# Altium PCB qfc.PcbDoc (part 7 of 13)
Units mil, origin at the board's own origin, x right, y up, seen from the top; angles counter-clockwise.
Board outline 1990 x 2620 mil, 4 copper layers (Top Layer, Mid-Layer 1, Mid-Layer 2, Bottom Layer); 217 components, 187 nets, 805 pads, 370 vias.
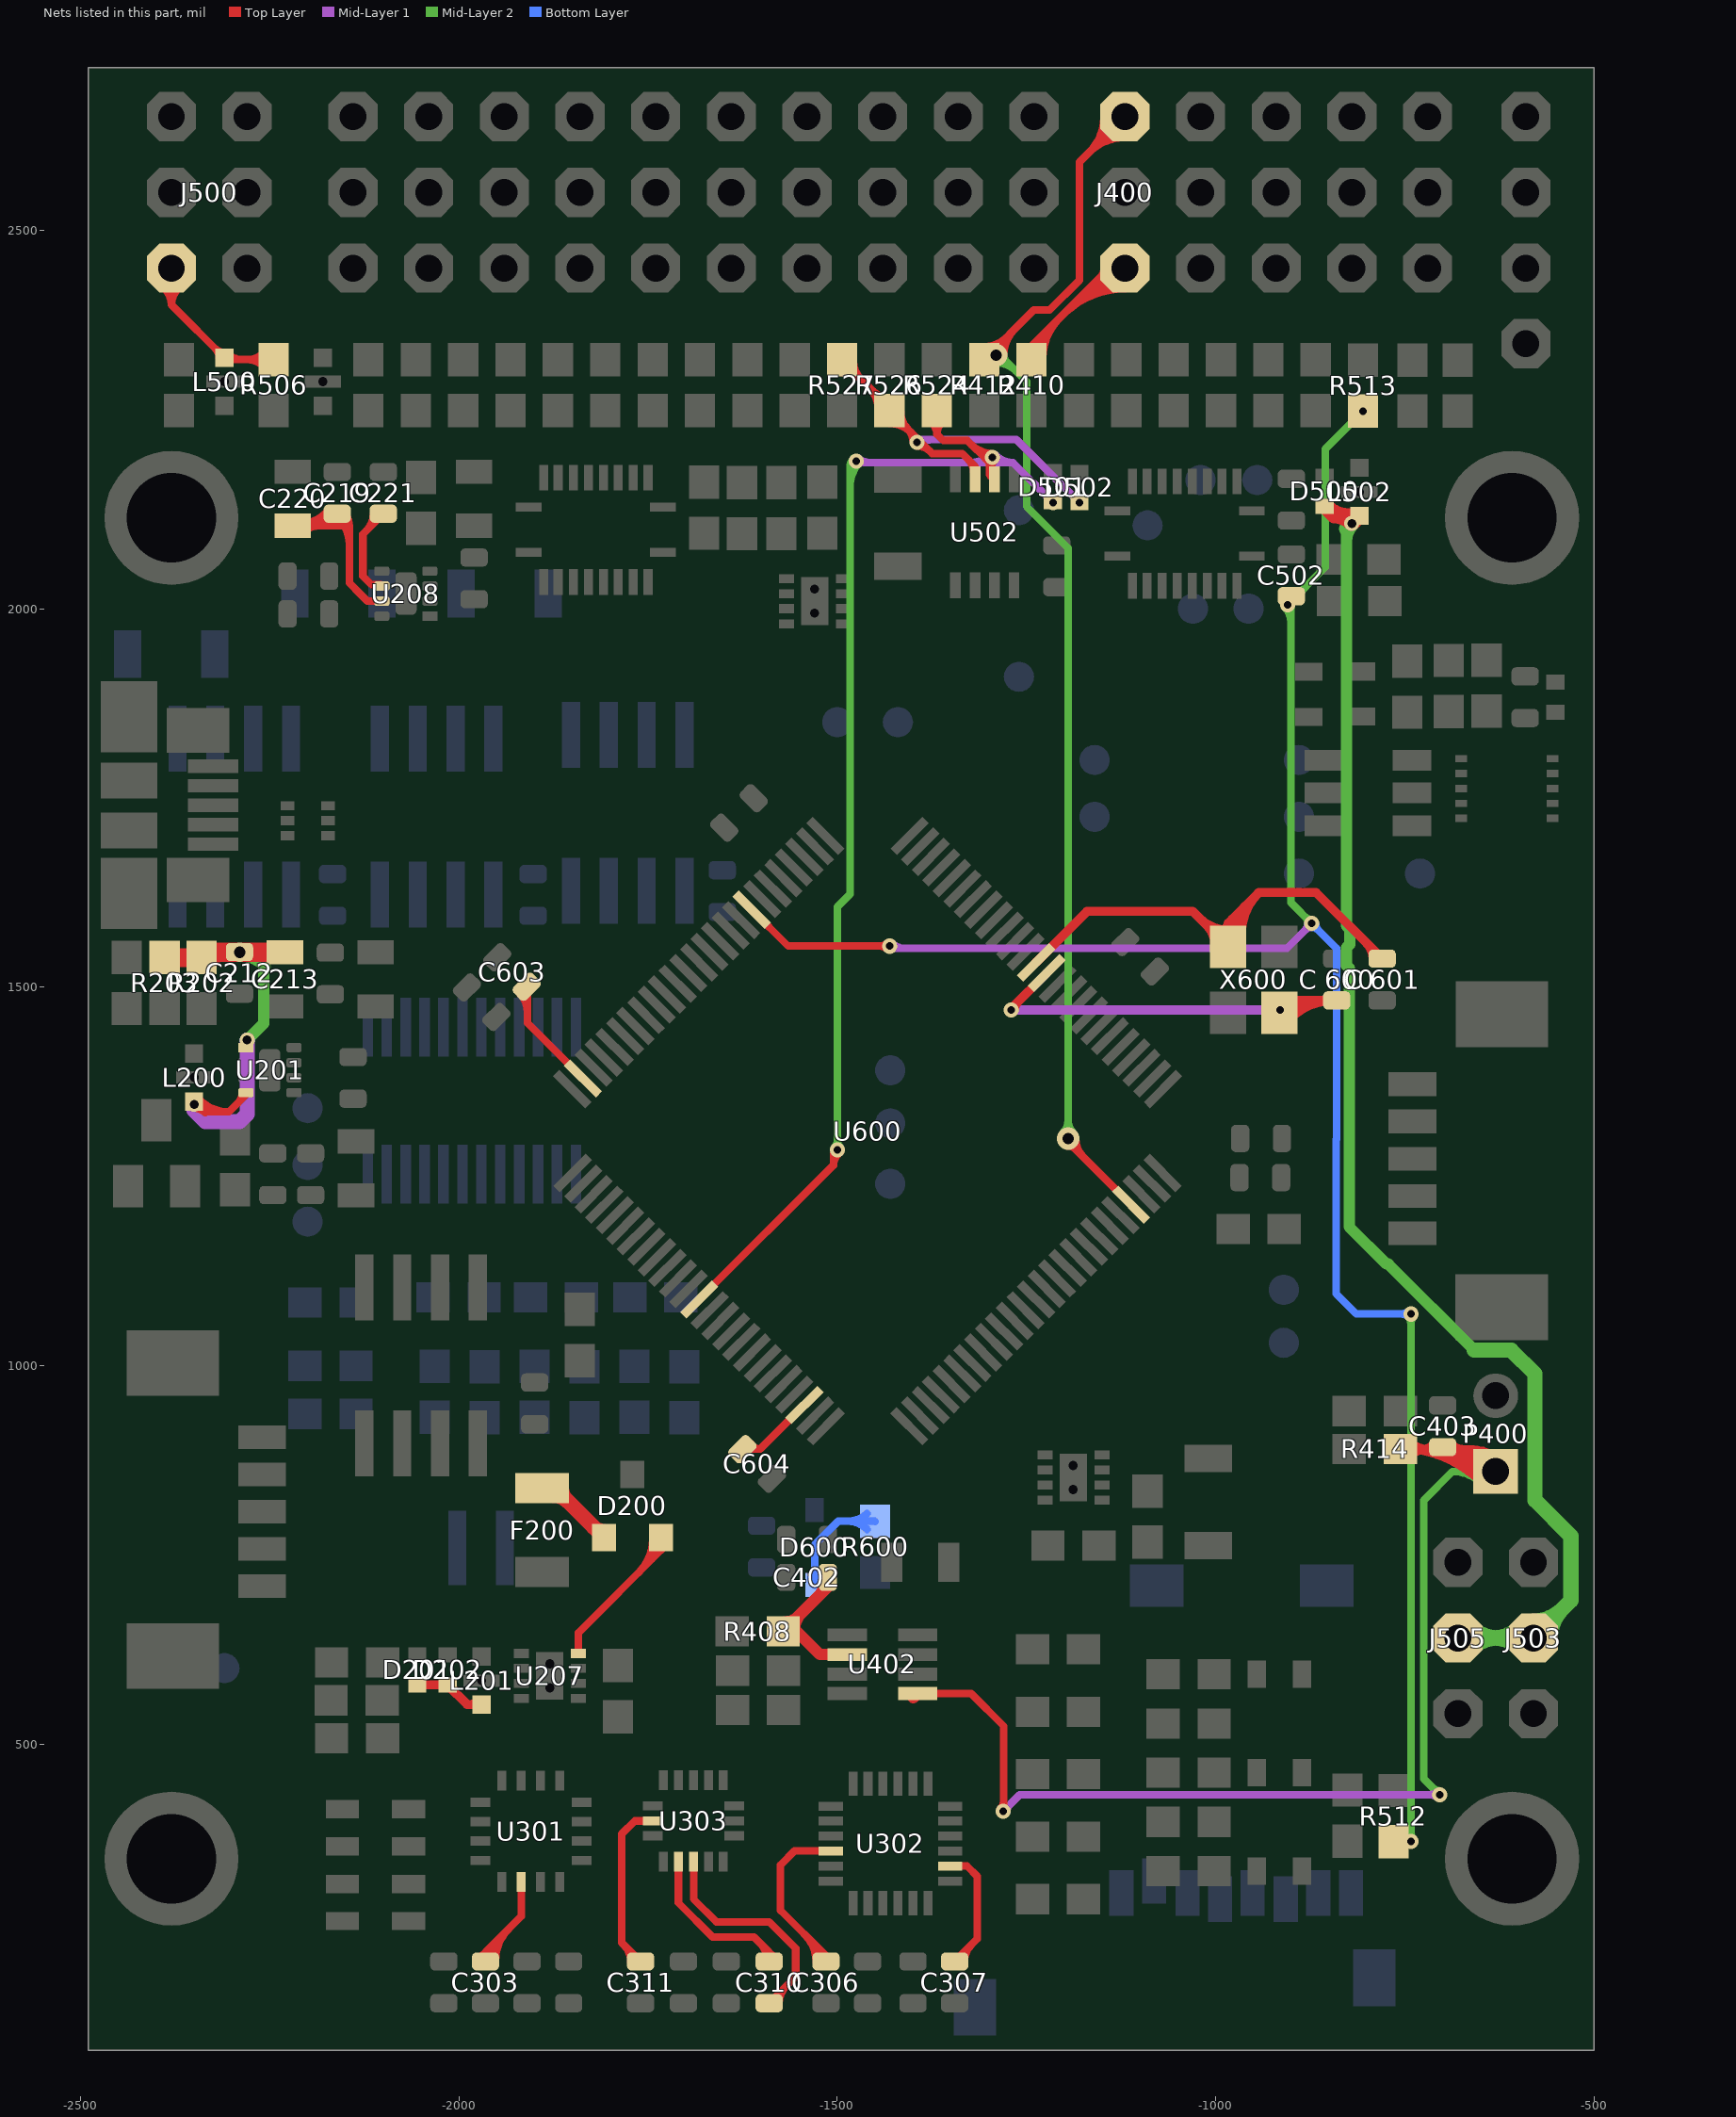
[diagram p9: the nets of this part, all layers, seen from the top]

## Via types
v1: diameter 20, hole 10, Top Layer to Bottom Layer, tented both sides, 256 vias
v2: diameter 22, hole 12, Top Layer to Bottom Layer, tented both sides, 31 vias
v3: diameter 25, hole 15, Top Layer to Bottom Layer, tented both sides, 29 vias
v4: diameter 20, hole 12, Top Layer to Bottom Layer, tented both sides, 17 vias
v5: diameter 30, hole 15, Top Layer to Bottom Layer, tented both sides, 12 vias
v6: diameter 25, hole 12, Top Layer to Bottom Layer, tented both sides, 11 vias
v7: diameter 25, hole 13, Top Layer to Bottom Layer, tented both sides, 5 vias
v8: diameter 40, hole 25, Top Layer to Bottom Layer, tented both sides, 2 vias
v9: diameter 23, hole 13, Top Layer to Bottom Layer, tented both sides, 2 vias
v10: diameter 30, hole 20, Top Layer to Bottom Layer, tented both sides, 2 vias
v11: diameter 20, hole 13, Top Layer to Bottom Layer, tented both sides, 1 vias
v12: diameter 20, hole 15, Top Layer to Bottom Layer, tented both sides, 1 vias
v13: diameter 30, hole 18, Top Layer to Bottom Layer, tented both sides, 1 vias

## Nets (pads, with @x,y where several pads share a name; then routed paths per layer and width w, separated by ;. In a path a pad name is that pad's centre, name@x,y a point inside that pad or via, vN(x,y) a via of type N, cw(c..) or ccw(c..) an arc to the next point about the centre after c; other vN are vias at no path point) (continued)
NetC212_P$1: C212.P$1 C213.1 L200.P$2 R202.2 R203.2 U201.1 U201.4 | length 1639.5
  Top Layer w10: v4(-2350,1345) L200.P$2@-2350,1348.74 -2336.26,1335 -2303.89,1335 ; U201.4@-2281.5,1360.47 -2281.5,1357.39 -2303.89,1335 ; L200.P$2@-2352.25,1346.75 ccw(c-2326.12,1369.91) -2326.12,1335 ; L200.P$2@-2352.25,1346.75 ccw(c-2326.12,1369.91) -2326.12,1335 ; L200.P$2@-2352.25,1346.75 ccw(c-2326.12,1369.91) -2326.12,1335 ; L200.P$2@-2352.25,1346.75 ccw(c-2326.12,1369.91) -2326.12,1335 ; L200.P$2@-2350,1340 cw(c-2350,1318.9) -2335.08,1333.82 ; L200.P$2@-2350,1340 cw(c-2350,1318.9) -2335.08,1333.82 ; L200.P$2@-2350,1340 cw(c-2350,1318.9) -2335.08,1333.82 ; L200.P$2@-2350,1341.74 cw(c-2350,1324.84) L200.P$2@-2338.05,1336.79 ; L200.P$2@-2350,1341.74 cw(c-2350,1324.84) L200.P$2@-2338.05,1336.79 ; L200.P$2@-2350,1341.74 cw(c-2350,1324.84) L200.P$2@-2338.05,1336.79 ; L200.P$2@-2350,1341.74 cw(c-2350,1324.84) L200.P$2@-2338.05,1336.79 ; L200.P$2@-2344.76,1353.38 ccw(c-2303.89,1389.63) -2303.89,1335 ; L200.P$2@-2344.76,1353.38 ccw(c-2303.89,1389.63) -2303.89,1335 ; L200.P$2@-2344.76,1353.38 ccw(c-2303.89,1389.63) -2303.89,1335 ; L200.P$2@-2344.76,1353.38 ccw(c-2303.89,1389.63) -2303.89,1335 ; L200.P$2@-2343,1348.74 ccw(c-2326.1,1348.74) L200.P$2@-2338.05,1336.79 ; L200.P$2@-2343,1348.74 ccw(c-2326.1,1348.74) L200.P$2@-2338.05,1336.79 ; L200.P$2@-2343,1348.74 ccw(c-2326.1,1348.74) L200.P$2@-2338.05,1336.79 ; L200.P$2@-2343,1348.74 ccw(c-2326.1,1348.74) L200.P$2@-2338.05,1336.79 ; -2292.21,1346.68 ccw(c-2306.01,1360.47) U201.4@-2286.5,1360.47 ; -2292.21,1346.68 ccw(c-2306.01,1360.47) U201.4@-2286.5,1360.47 ; -2292.21,1346.68 ccw(c-2306.01,1360.47) U201.4@-2286.5,1360.47 ; -2292.21,1346.68 ccw(c-2306.01,1360.47) U201.4@-2286.5,1360.47
  Top Layer w25: R203.2@-2389,1539 R202.2@-2340,1539 ; v3(-2289.7,1546) C212.P$1@-2290,1546.3 -2332.7,1546.3 -2333,1546 C213.1@-2230,1546 ; R202.2@-2334.7,1535.7 cw(c-2309.82,1510.82) -2309.82,1546 ; R202.2@-2334.7,1535.7 cw(c-2309.1,1510.1) -2309.1,1546.3 ; R202.2@-2334.7,1535.7 cw(c-2309.82,1510.82) -2309.82,1546 ; R202.2@-2334.7,1535.7 cw(c-2309.1,1510.1) -2309.1,1546.3 ; R202.2@-2334.7,1535.7 cw(c-2309.82,1510.82) -2309.82,1546 ; R202.2@-2334.7,1535.7 cw(c-2309.1,1510.1) -2309.1,1546.3 ; R202.2@-2334.7,1535.7 cw(c-2309.82,1510.82) -2309.82,1546 ; R202.2@-2334.7,1535.7 cw(c-2309.1,1510.1) -2309.1,1546.3
  Mid-Layer 1 w10: v4@-2281.5,1428.5 v4(-2280,1430)
  Mid-Layer 1 w20: v4(-2280,1430) -2280,1332 -2290,1322 -2335,1322 -2350,1337 v4(-2350,1345) ; v4(-2350,1345) ccw(c-2330.69,1345) -2344.34,1331.34 ; v4(-2350,1345) ccw(c-2330.69,1345) -2344.34,1331.34 ; v4(-2350,1345) ccw(c-2330.69,1345) -2344.34,1331.34 ; v4(-2350,1345) ccw(c-2330.69,1345) -2344.34,1331.34
  Mid-Layer 2 w15: v3(-2289.7,1546) -2275,1546 -2258,1529 -2258,1452 v4(-2280,1430) ; v3@-2289.7,1541 cw(c-2289.7,1493.44) -2256.07,1527.07 ; v3@-2289.7,1541 cw(c-2289.7,1493.44) -2256.07,1527.07 ; v3@-2289.7,1541 cw(c-2289.7,1493.44) -2256.07,1527.07 ; v3@-2289.7,1541 cw(c-2289.7,1493.44) -2256.07,1527.07 ; v3@-2287.35,1541.59 cw(c-2279.48,1526.82) -2267.65,1538.65 ; v3@-2287.35,1541.59 cw(c-2279.48,1526.82) -2267.65,1538.65 ; v3@-2287.35,1541.59 cw(c-2279.48,1526.82) -2267.65,1538.65
NetC219_P$1: C219.P$1 C220.1 U208.7 | length 1113.2
  Top Layer w10: U208.7@-2102,2010 -2121,2010 -2130.44,2019.44 -2130.44,2019.5 -2144.9,2033.96 -2144.9,2109.57 C220.1@-2220,2109.57 ; C220.1@-2220,2109.57 ccw(c-2220,2175.94) C219.P$1@-2171.85,2130.26 ; C220.1@-2220,2109.57 ccw(c-2220,2175.94) C219.P$1@-2171.85,2130.26 ; C220.1@-2220,2109.57 ccw(c-2220,2175.94) C219.P$1@-2171.85,2130.26 ; C220.1@-2220,2109.57 ccw(c-2220,2175.94) C219.P$1@-2171.85,2130.26 ; C220.1@-2204.22,2101.79 cw(c-2185.44,2083.01) -2185.44,2109.57 ; C220.1@-2204.22,2101.79 cw(c-2185.44,2083.01) -2185.44,2109.57 ; C220.1@-2204.22,2101.79 cw(c-2185.44,2083.01) -2185.44,2109.57 ; C220.1@-2204.22,2101.79 cw(c-2185.44,2083.01) -2185.44,2109.57 ; C220.1@-2204.22,2117.35 ccw(c-2185.44,2136.12) -2185.44,2109.57 ; C220.1@-2204.22,2117.35 ccw(c-2185.44,2136.12) -2185.44,2109.57 ; C220.1@-2204.22,2117.35 ccw(c-2185.44,2136.12) -2185.44,2109.57 ; C220.1@-2204.22,2117.35 ccw(c-2185.44,2136.12) -2185.44,2109.57 ; C220.1@-2196.73,2109.57 ccw(c-2196.73,2153.86) C219.P$1@-2164.6,2123.38 ; C220.1@-2196.73,2109.57 ccw(c-2196.73,2153.86) C219.P$1@-2164.6,2123.38 ; C220.1@-2196.73,2109.57 ccw(c-2196.73,2153.86) C219.P$1@-2164.6,2123.38 ; C220.1@-2196.73,2109.57 ccw(c-2196.73,2153.86) C219.P$1@-2164.6,2123.38 ; -2173.45,2109.57 ccw(c-2173.45,2131.78) C219.P$1@-2157.34,2116.49 ; -2173.45,2109.57 ccw(c-2173.45,2131.78) C219.P$1@-2157.34,2116.49 ; -2173.45,2109.57 ccw(c-2173.45,2131.78) C219.P$1@-2157.34,2116.49 ; -2173.45,2109.57 ccw(c-2173.45,2131.78) C219.P$1@-2157.34,2116.49 ; C219.P$1@-2159.72,2120.49 cw(c-2195.5,2084.71) -2144.9,2084.71 ; C219.P$1@-2159.72,2120.49 cw(c-2195.5,2084.71) -2144.9,2084.71 ; C219.P$1@-2159.72,2120.49 cw(c-2195.5,2084.71) -2144.9,2084.71 ; C219.P$1@-2159.72,2120.49 cw(c-2195.5,2084.71) -2144.9,2084.71 ; C219.P$1@-2155.49,2118.48 cw(c-2156.69,2106.75) -2144.9,2106.75 ; C219.P$1@-2155.49,2118.48 cw(c-2156.69,2106.75) -2144.9,2106.75 ; C219.P$1@-2155.49,2118.48 cw(c-2156.69,2106.75) -2144.9,2106.75 ; C219.P$1@-2155.49,2118.48 cw(c-2156.69,2106.75) -2144.9,2106.75 ; C219.P$1@-2152.65,2127.56 cw(c-2171.36,2108.85) -2144.9,2108.85 ; C219.P$1@-2152.65,2127.56 cw(c-2171.36,2108.85) -2144.9,2108.85 ; C219.P$1@-2152.65,2127.56 cw(c-2171.36,2108.85) -2144.9,2108.85 ; C219.P$1@-2152.65,2127.56 cw(c-2171.36,2108.85) -2144.9,2108.85
NetC221_P$1: C221.P$1 U208.6 | length 248.4
  Top Layer w10: U208.6@-2102,2029.84 -2103.69,2031.53 -2115.56,2031.53 -2127,2042.96 -2127,2098.44 C221.P$1@-2100,2125.44 ; -2122.19,2103.25 ccw(c-2144.38,2125.44) C221.P$1@-2113,2125.44 ; -2122.19,2103.25 ccw(c-2144.38,2125.44) C221.P$1@-2113,2125.44 ; -2122.19,2103.25 ccw(c-2144.38,2125.44) C221.P$1@-2113,2125.44 ; -2122.19,2103.25 ccw(c-2144.38,2125.44) C221.P$1@-2113,2125.44 ; -2112.48,2031.53 cw(c-2112.48,2023.36) U208.6@-2106.71,2029.14 ; -2112.48,2031.53 cw(c-2112.48,2023.36) U208.6@-2106.71,2029.14 ; -2112.48,2031.53 cw(c-2112.48,2023.36) U208.6@-2106.71,2029.14 ; -2112.48,2031.53 cw(c-2112.48,2023.36) U208.6@-2106.71,2029.14
NetC303_P$1: C303.P$1 U301.14 | length 537.9
  Top Layer w10: C303.P$1@-1965,212.56 -1965,225 ; U301.14@-1917.8,317.6 -1917.8,272.2 -1965,225 ; C303.P$1@-1972,212.56 cw(c-1958.87,212.56) C303.P$1@-1968.15,221.85 ; C303.P$1@-1972,212.56 cw(c-1958.87,212.56) C303.P$1@-1968.15,221.85 ; C303.P$1@-1972,212.56 cw(c-1958.87,212.56) C303.P$1@-1968.15,221.85 ; C303.P$1@-1972,212.56 cw(c-1958.87,212.56) C303.P$1@-1968.15,221.85 ; C303.P$1@-1968.63,218.54 ccw(c-1972.55,225) -1965,225 ; C303.P$1@-1968.63,218.54 ccw(c-1972.55,225) -1965,225 ; C303.P$1@-1968.63,218.54 ccw(c-1972.55,225) -1965,225 ; C303.P$1@-1968.63,218.54 ccw(c-1972.55,225) -1965,225 ; -1965,225 ccw(c-1957.45,225) C303.P$1@-1961.37,218.54 ; -1965,225 ccw(c-1957.45,225) C303.P$1@-1961.37,218.54 ; -1965,225 ccw(c-1957.45,225) C303.P$1@-1961.37,218.54 ; -1965,225 ccw(c-1957.45,225) C303.P$1@-1961.37,218.54 ; C303.P$1@-1962,212.56 cw(c-1924.72,212.56) -1951.08,238.92 ; C303.P$1@-1962,212.56 cw(c-1924.72,212.56) -1951.08,238.92 ; C303.P$1@-1962,212.56 cw(c-1924.72,212.56) -1951.08,238.92 ; C303.P$1@-1962,212.56 cw(c-1924.72,212.56) -1951.08,238.92 ; C303.P$1@-1952,212.56 cw(c-1890.58,212.56) -1934.01,255.99 ; C303.P$1@-1952,212.56 cw(c-1890.58,212.56) -1934.01,255.99 ; C303.P$1@-1952,212.56 cw(c-1890.58,212.56) -1934.01,255.99 ; C303.P$1@-1952,212.56 cw(c-1890.58,212.56) -1934.01,255.99
NetC306_P$1: C306.P$1 U302.10 | length 460.4
  Top Layer w10: C306.P$1@-1515,212.56 -1515,220 -1575,280 -1575,340 -1556.47,358.53 U302.10@-1508.74,358.53 ; -1542.45,247.45 cw(c-1577.35,212.56) C306.P$1@-1528,212.56 ; -1542.45,247.45 cw(c-1577.35,212.56) C306.P$1@-1528,212.56 ; -1542.45,247.45 cw(c-1577.35,212.56) C306.P$1@-1528,212.56 ; -1542.45,247.45 cw(c-1577.35,212.56) C306.P$1@-1528,212.56 ; -1525.38,230.38 cw(c-1543.2,212.56) C306.P$1@-1518,212.56 ; -1525.38,230.38 cw(c-1543.2,212.56) C306.P$1@-1518,212.56 ; -1525.38,230.38 cw(c-1543.2,212.56) C306.P$1@-1518,212.56 ; -1525.38,230.38 cw(c-1543.2,212.56) C306.P$1@-1518,212.56
NetC307_P$1: C307.P$1 U302.20 | length 265.1
  Top Layer w10: U302.20@-1351,338.53 -1328.53,338.53 -1315,325 -1315,242.56 C307.P$1@-1345,212.56 ; C307.P$1@-1332,212.56 cw(c-1300.62,212.56) -1322.81,234.75 ; C307.P$1@-1332,212.56 cw(c-1300.62,212.56) -1322.81,234.75 ; C307.P$1@-1332,212.56 cw(c-1300.62,212.56) -1322.81,234.75 ; C307.P$1@-1332,212.56 cw(c-1300.62,212.56) -1322.81,234.75
NetC310_P$1: C310.P$1 U303.2 | length 432
  Top Layer w10: U303.2@-1710,344.33 -1710,290 -1665,245 -1610,245 -1590,225 ; C310.P$1@-1590,212.56 -1590,225 ; -1603.03,238.03 cw(c-1627.3,213.76) C310.P$1@-1593,212.44 ; -1603.03,238.03 cw(c-1627.3,213.76) C310.P$1@-1593,212.44 ; -1603.03,238.03 cw(c-1627.3,213.76) C310.P$1@-1593,212.44 ; -1603.03,238.03 cw(c-1627.3,213.76) C310.P$1@-1593,212.44 ; C310.P$1@-1593.63,218.54 ccw(c-1597.55,225) -1590,225 ; C310.P$1@-1593.63,218.54 ccw(c-1597.55,225) -1590,225 ; C310.P$1@-1593.63,218.54 ccw(c-1597.55,225) -1590,225 ; C310.P$1@-1593.63,218.54 ccw(c-1597.55,225) -1590,225 ; -1590,225 ccw(c-1582.45,225) C310.P$1@-1586.37,218.54 ; -1590,225 ccw(c-1582.45,225) C310.P$1@-1586.37,218.54 ; -1590,225 ccw(c-1582.45,225) C310.P$1@-1586.37,218.54 ; -1590,225 ccw(c-1582.45,225) C310.P$1@-1586.37,218.54 ; C310.P$1@-1586.84,221.84 cw(c-1596.12,212.56) C310.P$1@-1583.01,212.06 ; C310.P$1@-1586.84,221.84 cw(c-1596.12,212.56) C310.P$1@-1583.01,212.06 ; C310.P$1@-1586.84,221.84 cw(c-1596.12,212.56) C310.P$1@-1583.01,212.06 ; C310.P$1@-1586.84,221.84 cw(c-1596.12,212.56) C310.P$1@-1583.01,212.06
NetC310_P$2: C310.P$2 U303.3 | length 396.9
  Top Layer w10: U303.3@-1690,344.33 -1690,295 -1660,265 -1590,265 -1555,230 -1555,192.44 C310.P$2@-1590,157.44 ; C310.P$2@-1577,157.44 cw(c-1545.62,157.44) -1567.81,179.63 ; C310.P$2@-1577,157.44 cw(c-1545.62,157.44) -1567.81,179.63 ; C310.P$2@-1577,157.44 cw(c-1545.62,157.44) -1567.81,179.63 ; C310.P$2@-1577,157.44 cw(c-1545.62,157.44) -1567.81,179.63
NetC311_P$1: C311.P$1 U303.15 | length 325.5
  Top Layer w10: C311.P$1@-1760,212.56 -1785,237.56 -1785,380.96 -1767.69,398.27 U303.15@-1744,398.27 ; -1782.19,234.75 cw(c-1804.38,212.56) C311.P$1@-1773,212.56 ; -1782.19,234.75 cw(c-1804.38,212.56) C311.P$1@-1773,212.56 ; -1782.19,234.75 cw(c-1804.38,212.56) C311.P$1@-1773,212.56 ; -1782.19,234.75 cw(c-1804.38,212.56) C311.P$1@-1773,212.56
NetC402_P$1: C402.P$1 R408.1 U402.6 | length 463.6
  Top Layer w15: C402.P$1@-1512.44,720 -1512.44,707.83 R408.1@-1571.54,648.73 -1553.73,648.73 -1523,618 U402.6@-1487,618 ; R408.1@-1569.54,661.23 ccw(c-1569.54,686.58) R408.1@-1551.61,668.66 ; R408.1@-1569.54,661.23 ccw(c-1569.54,686.58) R408.1@-1551.61,668.66 ; R408.1@-1569.54,661.23 ccw(c-1569.54,686.58) R408.1@-1551.61,668.66 ; R408.1@-1569.54,661.23 ccw(c-1569.54,686.58) R408.1@-1551.61,668.66 ; R408.1@-1557.04,648.73 cw(c-1522.03,648.73) -1546.78,673.48 ; R408.1@-1557.04,648.73 cw(c-1522.03,648.73) -1546.78,673.48 ; R408.1@-1557.04,648.73 cw(c-1522.03,648.73) -1546.78,673.48 ; R408.1@-1557.04,648.73 cw(c-1522.03,648.73) -1546.78,673.48 ; -1524.49,695.78 ccw(c-1542.71,714) C402.P$1@-1516.94,714 ; -1524.49,695.78 ccw(c-1542.71,714) C402.P$1@-1516.94,714 ; -1524.49,695.78 ccw(c-1542.71,714) C402.P$1@-1516.94,714 ; -1524.49,695.78 ccw(c-1542.71,714) C402.P$1@-1516.94,714
NetC403_P$1: C403.P$1 P400.1 R414.2 U402.1 | length 4424.6
  Top Layer w10: U402.1@-1393.74,566.61 -1323.25,566.61 -1280,523.37 -1280,412 v1(-1281,411) ; P400.1@-630,860 -659.69,889.69 R414.2@-756,889.69 ; v1@-1284.54,414.54 ccw(c-1295.49,425.49) -1280,425.49 ; v1@-1284.54,414.54 ccw(c-1295.49,425.49) -1280,425.49 ; v1@-1284.54,414.54 ccw(c-1295.49,425.49) -1280,425.49 ; v1@-1284.54,414.54 ccw(c-1295.49,425.49) -1280,425.49 ; R414.2@-756,889.69 cw(c-755.99,740.7) P400.1@-647.81,843.14 ; R414.2@-756,889.69 cw(c-755.99,740.7) P400.1@-647.81,843.14 ; R414.2@-756,889.69 cw(c-755.99,740.7) P400.1@-647.81,843.14 ; R414.2@-756,889.69 cw(c-755.99,740.7) P400.1@-647.81,843.14 ; R414.2@-743.39,879.08 cw(c-717.79,853.47) C403.P$1@-717.79,889.69 ; R414.2@-743.39,879.08 cw(c-717.79,853.47) C403.P$1@-717.79,889.69 ; R414.2@-743.39,879.08 cw(c-717.79,853.47) C403.P$1@-717.79,889.69 ; R414.2@-743.39,879.08 cw(c-717.79,853.47) C403.P$1@-717.79,889.69 ; R414.2@-743.39,900.29 ccw(c-717.79,925.9) C403.P$1@-717.79,889.69 ; R414.2@-743.39,900.29 ccw(c-717.79,925.9) C403.P$1@-717.79,889.69 ; R414.2@-743.39,900.29 ccw(c-717.79,925.9) C403.P$1@-717.79,889.69 ; R414.2@-743.39,900.29 ccw(c-717.79,925.9) C403.P$1@-717.79,889.69 ; -732.75,889.69 cw(c-732.75,762.71) P400.1@-640.55,850.01 ; -732.75,889.69 cw(c-732.75,762.71) P400.1@-640.55,850.01 ; -732.75,889.69 cw(c-732.75,762.71) P400.1@-640.55,850.01 ; -732.75,889.69 cw(c-732.75,762.71) P400.1@-640.55,850.01 ; -728.79,889.69 ccw(c-728.79,914.92) C403.P$1@-710.95,897.08 ; -728.79,889.69 ccw(c-728.79,914.92) C403.P$1@-710.95,897.08 ; -728.79,889.69 ccw(c-728.79,914.92) C403.P$1@-710.95,897.08 ; -728.79,889.69 ccw(c-728.79,914.92) C403.P$1@-710.95,897.08 ; C403.P$1@-709.51,889.69 cw(c-709.51,784.71) P400.1@-633.29,856.89 ; C403.P$1@-709.51,889.69 cw(c-709.51,784.71) P400.1@-633.29,856.89 ; C403.P$1@-709.51,889.69 cw(c-709.51,784.71) P400.1@-633.29,856.89 ; C403.P$1@-709.51,889.69 cw(c-709.51,784.71) P400.1@-633.29,856.89 ; C403.P$1@-689.05,897.08 ccw(c-671.21,914.92) -671.21,889.69 ; C403.P$1@-689.05,897.08 ccw(c-671.21,914.92) -671.21,889.69 ; C403.P$1@-689.05,897.08 ccw(c-671.21,914.92) -671.21,889.69 ; C403.P$1@-689.05,897.08 ccw(c-671.21,914.92) -671.21,889.69 ; C403.P$1@-686.27,889.69 cw(c-686.27,806.72) P400.1@-626.03,863.76 ; C403.P$1@-686.27,889.69 cw(c-686.27,806.72) P400.1@-626.03,863.76 ; C403.P$1@-686.27,889.69 cw(c-686.27,806.72) P400.1@-626.03,863.76 ; C403.P$1@-686.27,889.69 cw(c-686.27,806.72) P400.1@-626.03,863.76 ; -663.03,889.69 cw(c-663.03,828.72) P400.1@-618.77,870.64 ; -663.03,889.69 cw(c-663.03,828.72) P400.1@-618.77,870.64 ; -663.03,889.69 cw(c-663.03,828.72) P400.1@-618.77,870.64 ; -663.03,889.69 cw(c-663.03,828.72) P400.1@-618.77,870.64
  Top Layer w15: U402.1@-1399.5,560.85 U402.1@-1393.74,566.61
  Mid-Layer 1 w10: v1(-1281,411) -1259,433 -828,433 ; -816,433 -828,433 ; v1(-704,433) -828,433 ; v1@-1281,416 ccw(c-1281,428.07) -1272.46,419.54 ; v1@-1281,416 ccw(c-1281,428.07) -1272.46,419.54 ; v1@-1281,416 ccw(c-1281,428.07) -1272.46,419.54 ; v1@-1281,416 ccw(c-1281,428.07) -1272.46,419.54 ; v1@-1276,411 cw(c-1263.93,411) -1272.46,419.54 ; v1@-1276,411 cw(c-1263.93,411) -1272.46,419.54 ; v1@-1276,411 cw(c-1263.93,411) -1272.46,419.54 ; v1@-1276,411 cw(c-1263.93,411) -1272.46,419.54 ; -716.07,433 cw(c-716.07,420.93) v1@-707.54,429.46 ; -716.07,433 ccw(c-716.07,445.07) v1@-707.54,436.54 ; -716.07,433 cw(c-716.07,420.93) v1@-707.54,429.46 ; -716.07,433 ccw(c-716.07,445.07) v1@-707.54,436.54 ; -716.07,433 cw(c-716.07,420.93) v1@-707.54,429.46 ; -716.07,433 ccw(c-716.07,445.07) v1@-707.54,436.54 ; -716.07,433 cw(c-716.07,420.93) v1@-707.54,429.46 ; -716.07,433 ccw(c-716.07,445.07) v1@-707.54,436.54
  Mid-Layer 2 w10: v1(-704,433) -725,454 -725,822 -687,860 ; P400.1@-630,860 -687,860 ; -712.54,441.54 cw(c-721.07,433) v1@-709,433 ; -712.54,441.54 ccw(c-704,450.07) v1@-704,438 ; -712.54,441.54 cw(c-721.07,433) v1@-709,433 ; -712.54,441.54 ccw(c-704,450.07) v1@-704,438 ; -712.54,441.54 cw(c-721.07,433) v1@-709,433 ; -712.54,441.54 ccw(c-704,450.07) v1@-704,438 ; -712.54,441.54 cw(c-721.07,433) v1@-709,433 ; -712.54,441.54 ccw(c-704,450.07) v1@-704,438 ; -687,860 cw(c-687,806.04) P400.1@-647.81,843.14 ; -687,860 ccw(c-687,913.96) P400.1@-647.81,876.86 ; -687,860 cw(c-687,806.04) P400.1@-647.81,843.14 ; -687,860 ccw(c-687,913.96) P400.1@-647.81,876.86 ; -687,860 cw(c-687,806.04) P400.1@-647.81,843.14 ; -687,860 ccw(c-687,913.96) P400.1@-647.81,876.86 ; -687,860 cw(c-687,806.04) P400.1@-647.81,843.14 ; -687,860 ccw(c-687,913.96) P400.1@-647.81,876.86 ; -663.76,860 cw(c-663.76,828.04) P400.1@-640.55,850.01 ; -663.76,860 ccw(c-663.76,891.96) P400.1@-640.55,869.99 ; -663.76,860 cw(c-663.76,828.04) P400.1@-640.55,850.01 ; -663.76,860 ccw(c-663.76,891.96) P400.1@-640.55,869.99 ; -663.76,860 cw(c-663.76,828.04) P400.1@-640.55,850.01 ; -663.76,860 ccw(c-663.76,891.96) P400.1@-640.55,869.99 ; -663.76,860 cw(c-663.76,828.04) P400.1@-640.55,850.01 ; -663.76,860 ccw(c-663.76,891.96) P400.1@-640.55,869.99
NetC502_P$2: C502.P$2 R512.2 R513.2 U600.33 | length 3697
  Top Layer w10: U600.33@-1613.11,1602.31 -1564.9,1554.1 v1(-1430.9,1554.1) v1@-1428.9,1554.1 ; v1(-905,2005) -905,2011.44 C502.P$2@-900,2016.44 ; -1442.97,1554.1 cw(c-1442.97,1542.03) v1@-1434.44,1550.56 ; -1442.97,1554.1 ccw(c-1442.97,1566.17) v1@-1434.44,1557.63 ; -1442.97,1554.1 cw(c-1442.97,1542.03) v1@-1434.44,1550.56 ; -1442.97,1554.1 ccw(c-1442.97,1566.17) v1@-1434.44,1557.63 ; -1442.97,1554.1 cw(c-1442.97,1542.03) v1@-1434.44,1550.56 ; -1442.97,1554.1 ccw(c-1442.97,1566.17) v1@-1434.44,1557.63 ; -1442.97,1554.1 cw(c-1442.97,1542.03) v1@-1434.44,1550.56 ; -1442.97,1554.1 ccw(c-1442.97,1566.17) v1@-1434.44,1557.63 ; C502.P$2@-900.85,2007.78 cw(c-895.16,2011.6) C502.P$2@-900,2016.44 ; C502.P$2@-900.85,2007.78 cw(c-895.16,2011.6) C502.P$2@-900,2016.44 ; C502.P$2@-900.85,2007.78 cw(c-895.16,2011.6) C502.P$2@-900,2016.44
  Mid-Layer 1 w10: v1(-1430.9,1554.1) -1428,1551.2 -905.8,1551.2 v1(-873,1584) v1@-873,1579 ; v1@-1427.37,1557.63 ccw(c-1411.83,1573.17) -1411.83,1551.2 ; v1@-1427.37,1557.63 ccw(c-1411.83,1573.17) -1411.83,1551.2 ; v1@-1427.37,1557.63 ccw(c-1411.83,1573.17) -1411.83,1551.2 ; v1@-1427.37,1557.63 ccw(c-1411.83,1573.17) -1411.83,1551.2 ; -881.54,1575.46 cw(c-873,1566.93) v1@-873,1579 ; -881.54,1575.46 ccw(c-890.07,1584) v1@-878,1584 ; -881.54,1575.46 cw(c-873,1566.93) v1@-873,1579 ; -881.54,1575.46 ccw(c-890.07,1584) v1@-878,1584 ; -881.54,1575.46 cw(c-873,1566.93) v1@-873,1579 ; -881.54,1575.46 ccw(c-890.07,1584) v1@-878,1584 ; -881.54,1575.46 cw(c-873,1566.93) v1@-873,1579 ; -881.54,1575.46 ccw(c-890.07,1584) v1@-878,1584
  Mid-Layer 2 w10: v1(-905,2005) -855,2055 -855,2211.19 v1(-805.19,2261) ; v1@-900.5,2000.5 -900.5,1611.5 v1(-873,1584) ; v1(-742,370.96) v1(-742,1068) ; v1@-908.54,2001.46 cw(c-927.93,1982.07) -900.5,1982.07 ; v1@-908.54,2001.46 cw(c-927.93,1982.07) -900.5,1982.07 ; v1@-908.54,2001.46 cw(c-927.93,1982.07) -900.5,1982.07 ; v1@-908.54,2001.46 cw(c-927.93,1982.07) -900.5,1982.07 ; v1@-905,2010 ccw(c-905,2022.07) -896.46,2013.54 ; v1@-905,2010 ccw(c-905,2022.07) -896.46,2013.54 ; v1@-905,2010 ccw(c-905,2022.07) -896.46,2013.54 ; v1@-905,2010 ccw(c-905,2022.07) -896.46,2013.54 ; v1@-900,2005 cw(c-887.93,2005) -896.46,2013.54 ; v1@-900,2005 cw(c-887.93,2005) -896.46,2013.54 ; v1@-900,2005 cw(c-887.93,2005) -896.46,2013.54 ; v1@-900,2005 cw(c-887.93,2005) -896.46,2013.54 ; -881.54,1592.54 cw(c-890.07,1584) v1@-878,1584 ; -881.54,1592.54 ccw(c-873,1601.07) v1@-873,1589 ; -881.54,1592.54 cw(c-890.07,1584) v1@-878,1584 ; -881.54,1592.54 ccw(c-873,1601.07) v1@-873,1589 ; -881.54,1592.54 cw(c-890.07,1584) v1@-878,1584 ; -881.54,1592.54 ccw(c-873,1601.07) v1@-873,1589 ; -881.54,1592.54 cw(c-890.07,1584) v1@-878,1584 ; -881.54,1592.54 ccw(c-873,1601.07) v1@-873,1589 ; -813.72,2252.47 cw(c-805.19,2243.93) v1@-805.19,2256 ; -813.72,2252.47 ccw(c-822.26,2261) v1@-810.19,2261 ; -813.72,2252.47 cw(c-805.19,2243.93) v1@-805.19,2256 ; -813.72,2252.47 ccw(c-822.26,2261) v1@-810.19,2261 ; -813.72,2252.47 cw(c-805.19,2243.93) v1@-805.19,2256 ; -813.72,2252.47 ccw(c-822.26,2261) v1@-810.19,2261 ; -813.72,2252.47 cw(c-805.19,2243.93) v1@-805.19,2256 ; -813.72,2252.47 ccw(c-822.26,2261) v1@-810.19,2261 ; v1@-745.54,374.5 ccw(c-754.07,383.03) -742,383.03 ; v1@-745.54,374.5 ccw(c-754.07,383.03) -742,383.03 ; v1@-745.54,374.5 ccw(c-754.07,383.03) -742,383.03 ; v1@-745.54,374.5 ccw(c-754.07,383.03) -742,383.03 ; v1@-745.54,1064.46 cw(c-754.07,1055.93) -742,1055.93 ; v1@-745.54,1064.46 cw(c-754.07,1055.93) -742,1055.93 ; v1@-745.54,1064.46 cw(c-754.07,1055.93) -742,1055.93 ; v1@-745.54,1064.46 cw(c-754.07,1055.93) -742,1055.93 ; -742,383.03 ccw(c-729.93,383.03) v1@-738.46,374.5 ; -742,383.03 ccw(c-729.93,383.03) v1@-738.46,374.5 ; -742,383.03 ccw(c-729.93,383.03) v1@-738.46,374.5 ; -742,383.03 ccw(c-729.93,383.03) v1@-738.46,374.5 ; -742,1055.93 cw(c-729.93,1055.93) v1@-738.46,1064.46 ; -742,1055.93 cw(c-729.93,1055.93) v1@-738.46,1064.46 ; -742,1055.93 cw(c-729.93,1055.93) v1@-738.46,1064.46 ; -742,1055.93 cw(c-729.93,1055.93) v1@-738.46,1064.46